# Altium PCB 2121_Robot3Roues.PcbDoc (part 2 of 2)
Units mm, origin at the board's own origin, x right, y up, seen from the top; angles counter-clockwise.
Board outline 100 x 152 mm, 2 copper layers (Top Layer, Bottom Layer), stack 1.62 mm thick; 144 components, 78 nets, 447 pads, 120 vias.
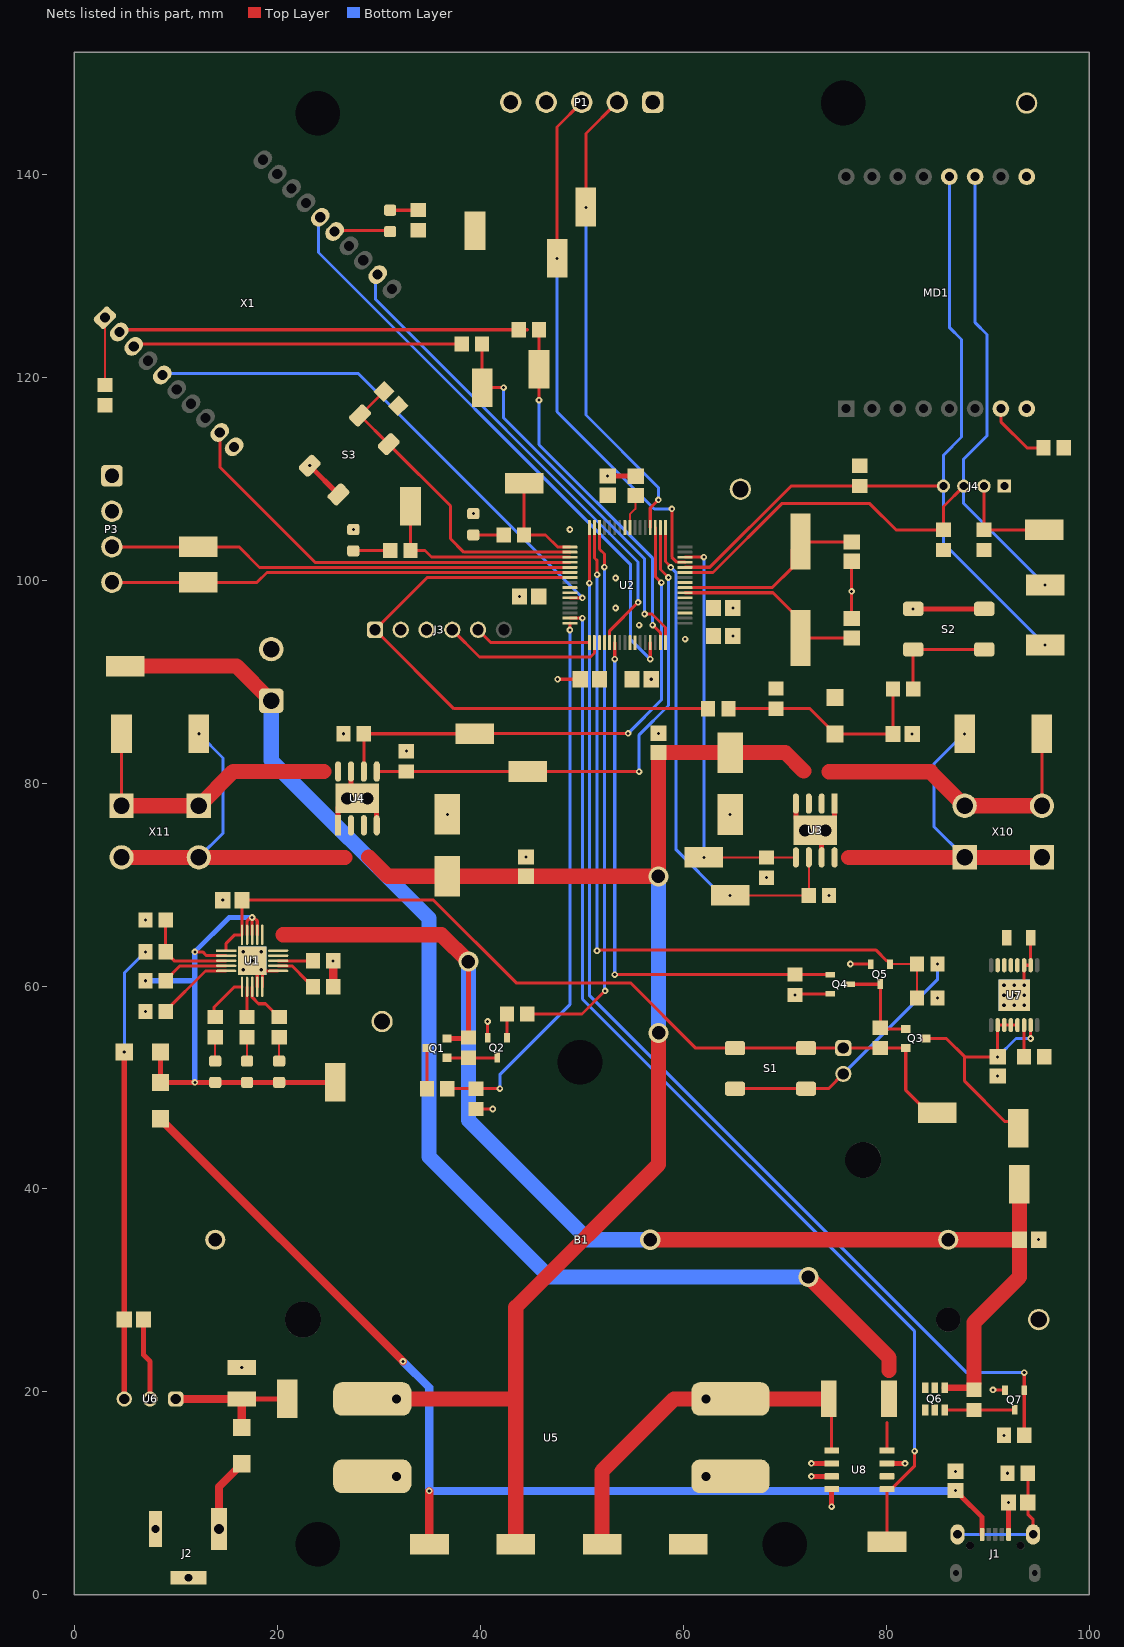
[diagram p2: the nets of this part, all layers, seen from the top]

## Part data (continued)
S1 S2 S3: "WS-TASV SMT Washable Tact Switch 6x6mm, height 3.5mm, 360gf", Operating Temperature="-40 to +85degC", Rated Current=50mA, Rated Voltage=12VDC, ComponentLink1Description=Manufacturer, ComponentLink1URL=http://www.we-online.de, ComponentLink2Description=Datasheet, ComponentLink2URL=https://katalog.we-online.com/em/datasheet/430451035836.pdf, Contact Material="Stainless Steel", Contact Plating=Silver, Height=3.5mm, Mounting Technology=SMT, Operation Force=360gf, Packaging="Tape and Reel", Part Number=430451035836, Published Date="September 2019", Publisher="Wurth Elektronik", Terminal Material=Brass, Terminal Plating=Silver, Washable=Yes
TP1 TP2 TP3 TP4 TP5 TP6 TP7 TP8 TP9 TP10 TP11 TP12 TP13 TP14 TP15 TP16 TP17 TP18 TP19 TP20 TP21 TP22 TP23 TP24 TP25 TP26 TP27 TP28 TP29 TP30 TP31: library part CMP-1672-00008-1, "Test Point, 1 Position SMD, RoHS, Tape and Reel", Package Quantity=1000, ComponentLink1Description="Manufacturer URL", ComponentLink1URL=http://www.keyelco.com/, ComponentLink2Description=Datasheet, ComponentLink2URL=http://www.keyelco.com/product-pdf.cfm?p=1357, Contact Plating=Silver, DatasheetVersion=03/2014, Mount="Surface Mount", Mounting Technology="Surface Mount", PackageDescription="1-Pin Surface Mount Device, Body 3.81 x 2.03 mm", PackageReference=5019, Packaging="Tape and Reel", Pins=1, RoHSCompliant=True
U1: "Charger IC Lithium Ion/Polymer 20-QFN _4x4_", Package="QFN-20 Microchip", Digi-Key_Part_Number=MCP73871T-2CCI/MLCT-ND, Digi-Key_Purchase_URL=https://www.digikey.com/product-detail/en/microchip-technology/MCP73871T-2CCI-ML/MCP73871T-2CCI-MLCT-ND/7065594?utm_source=snapeda&utm_medium=aggregator&utm_campaign=symbol, MF=Microchip, MP=MCP73871T-2CCI/ML, SnapEDA_Link=https://www.snapeda.com/parts/MCP73871T-2CCI/ML/Microchip/view-part/1049920/?ref=snap
U2: "MIPS32Â® M4Kâ„¢ PICÂ® 32MX Microcontroller IC 32-Bit 80MHz 512KB (512K x 8) FLASH 64-TQFP (10x10)", Package="TQFP-64 Microchip", Check_prices=https://www.snapeda.com/parts/PIC32MX795F512H-80I/PT/Microchip/view-part/48095/?ref=eda, Digi-Key_Part_Number=PIC32MX795F512H-80I/PT-ND, MF=Microchip, MP=PIC32MX795F512H-80I/PT, Purchase-URL=https://pricing.snapeda.com/search/part/PIC32MX795F512H-80I/PT/?ref=eda, SnapEDA_Link=https://www.snapeda.com/parts/PIC32MX795F512H-80I/PT/Microchip/view-part/48095/?ref=snap
U3 U4: library part BD62120AEFJ, Supplier Part Number 1=BD62120AEFJ-E2CT-ND, Supplier 1=Digi-Key
U5: "DC-DC Boost 2-24V"
U6: library part CMP-207928-000001-3, "WPME-FDSM Fixed Step Down Regulator Module", Ambient Temperature Range High=85°C, Case/Package=Module, Max Input Voltage=28V, Max Output Current=1A, Max Output Voltage=5V, Max Power Dissipation=5W, Max Switching Frequency=300kHz, Min Input Voltage=8V, Min Operating Temperature=-40°C, Switching Frequency=300MHz, Efficiency=91%, Features="OCP, OTP, OVP, SCP", Height=10.5mm, Length=11.6mm, Max Operating Temperature=85°C, Max Supply Voltage=28V, Min Supply Voltage=8V, Mount="Through Hole", Nominal Output Voltage=5V, Number of Outputs=1, Number of Pins=3, Output Current=1A, Output Power=5W, Output Type=Fixed, Output Voltage=5V, RoHS=Compliant, Topology=Buck, Voltage - Output 1=5V, Width=8.5mm
U8: library part CMP-0055-00392-3, "60V Common Mode, Bidirectional Precision Current Sensing Amplifier, 8-pin Narrow SOIC, Pb-Free", Manufacturer="Texas Instruments", Package Reference=D0008A, PackageTopMarking=NSZXTT*LMP86*01MA, PowerWise=N, Code_IPC=SOIC127P600-8, Code_JEDEC=MS-012-AA, ComponentLink1Description="Datasheet URL", ComponentLink1URL=http://www.ti.com/general/docs/lit/getliterature.tsp?genericPartNumber=LMP8601&fileType=pdf, CompType=Amplifiers, PackageDescription="SOIC Narrow, 4.9 x 3.9 x 1.45mm, 8 Lead, 1.27mm Pitch", PinCount=8, RoHS=Y
X1: library part XB24CDMSIT-001, "Xbee S2c Digimesh 2.4 Th Rpsma", Package="Module Digi International", Supplier Part Number 1=602-1893-ND, Availability=Bad, MF="Digi International", MP=XB24CAUIT-001, Price="17.89 USD", SnapEDA_Link=https://www.snapeda.com/parts/XB24CDMSIT-001/Digi%20International/view-part/?ref=snap, Supplier=Mouser, Supplier 1=Digi-Key, Supplier min. quantity=1, Supplier PN=888-XB24CAUIT-001, Supplier price=17.84
X2: library part 61300211121, "WR-PHD Pin Header, THT, pitch 2.54mm, Single Row, Vertical, 2pin", Contact Resistance=20mOhm, Operating Temperature="-40 to +105degC", Rated Current=3A, Withstanding Voltage=500VAC, Working Voltage=250VAC, ComponentLink1Description=Manufacturer, ComponentLink1URL=http://www.we-online.de, ComponentLink2Description=Datasheet, ComponentLink2URL=https://katalog.we-online.de/em/datasheet/6130xx11121.pdf, Gender=Male, Mounting Technology=THT, Orientation=Vertical, Packaging=Bag, Part Number=61300211121, Pin Number=2, Pitch=2.54mm, Published Date="June 2019", Publisher="Wurth Elektronik", Row Number=Single
X4 X5 X6 X7: library part CMP-1672-00003-4, "Test Point, Black, Through Hole, RoHS, Bulk", Colour=Black, Manufacturer=Keystone, Package Quantity=100, ComponentLink1Description="Manufacturer URL", ComponentLink1URL=http://www.keyelco.com/, ComponentLink2Description=Datasheet, ComponentLink2URL=http://www.keyelco.com/product-pdf.cfm?p=1320, Contact Material=Bronze, Contact Plating=Silver, DatasheetVersion="Rev. F, 12/2013", Height="8.12 mm", Mount="Through Hole", Mounting Technology="Through Hole", PackageDescription="1-Pin Through Hole Device, Dia 3.17 mm", PackageReference=5011, Packaging=Bulk, Pins=1, REACH SVHC="No SVHC", RoHSCompliant=true
X10 X11: "WR-TBL Serie 2566 Horizontal Entry, Rising Cage Clamp, pitch 10.16mm, 2p", Operating Temperature="-30 to +120degC", Rated Current [UL]=40A, Supplier Part Number 1=732-11031-ND, Working Voltage [UL]=300VAC, Application="Rising Cage Clamp", Compliance="Lead free / RoHS", ComponentLink1Description=Manufacturer, ComponentLink1URL=http://www.we-online.de, ComponentLink2Description=Datasheet, ComponentLink2URL=https://katalog.we-online.de/em/datasheet/691256610002.pdf, Modularity=No, Mounting Technology=THT, Packaging=Box, Part Number=691256610002, PCB/Cable/Panel=PCB, Pin Number=2, Pitch=10.16mm, Published Date="October 2019", Publisher="Wurth Elektronik", Supplier 1=Digi-Key, System=Connector, Type=Horizontal
Y1: library part CMP-1749-00001-1, "Resistance Weld SMD Crystal, 8 MHz, +/- 30 ppm, 12 pF, -20 to 70 degC, 2-Pin SMD, RoHS, Tape and Reel", Case\Package=SOT-553-6, Max Operating Temperature="150 degC", Max Supply Voltage="3.3 V", Max Supply Voltage (DC)="6 V", Min Operating Temperature="-55 degC", Min Supply Voltage="1.4 V", Min Supply Voltage (DC)="4 V", Output Current="3 mA", Package Quantity=1, ComponentLink1Description="Manufacturer URL", ComponentLink1URL=http://www.foxonline.com/, ComponentLink2Description=Datasheet, ComponentLink2URL=http://foxonline.com/pdfs/hc49sdlf.pdf, DatasheetVersion=Mar-15, Height="0.55 mm", Interface=I2C, Length="1.6 mm", Mount="Surface Mount", PackageDescription="2-Pin Surface Mount Device, Body 5 x 11.7 mm, Height 4.5 mm", PackageReference=FOX-FOXSDLF160-20, Packaging="Cut Tape", Pins=6, Radiation Hardening=No, REACH SVHC="No SVHC", RoHSCompliant=true, Weight="9.9E-05 oz", Width="1.2 mm"

## Via types
v1: diameter 0.65, hole 0.3, Top Layer to Bottom Layer, tented both sides, 47 vias
v2: diameter 0.65, hole 0.3, Top Layer to Bottom Layer, 46 vias
v3: diameter 0.75, hole 0.35, Top Layer to Bottom Layer, tented both sides, 9 vias
v4: diameter 1.98, hole 1.32, Top Layer to Bottom Layer, tented both sides, 5 vias
v5: diameter 0.75, hole 0.35, Top Layer to Bottom Layer, 5 vias
v6: diameter 2, hole 1.2, Top Layer to Bottom Layer, tented both sides, 4 vias
v7: diameter 1.651, hole 0.889, Top Layer to Bottom Layer, tented both sides, 4 vias

## Nets (pads, with @x,y where several pads share a name; then routed paths per layer and width w, separated by ;. In a path a pad name is that pad's centre, name@x,y a point inside that pad or via, vN(x,y) a via of type N, cw(c..) or ccw(c..) an arc to the next point about the centre after c; other vN are vias at no path point)
3.3V: C7.1 C8.1 C9.1 C10.1 C11.1 C12.1 C13.1 D7.2 J3.2 P1.1 P3.2 R15.2 R16.1 R21.2 R24.2 R25.2 R26.2 R28.2 R29.2 R37.2 TP7.1 TP10.1 U2.10 U2.19 U2.26 U2.35 U2.38 U2.57 U7.12 U7.13 U7.14 U7.15 U8.6 | length 0.4
  Top Layer w0.15: U8.6@79.65,11.69 U8.6@80.075,11.69
9V: C16.2 C17.1 C18.2 C19.1 TP30.1 U3.3 U4.3 U5.2 | length 139.9
  Top Layer w1.5: 29.009,72.705 30.909,70.805 C18.2@36.75,70.805 C19.1@44.5,70.805 v4(57.551,70.805) C17.1@57.551,83 C17.1@57.575,83 ; v7(31.76,19.31) 43.5,19.31 ; TP30.1@43.5,5 43.5,19.31 ; v4(57.575,55.38) 57.575,42.425 43.5,28.35 43.5,19.31 ; C17.1@57.651,83 C16.2@64.626,83 70.054,83 71.865,81.189
  Bottom Layer w1.5: v4(57.551,70.805) 57.563,70.793 57.563,55.392 v4(57.575,55.38)
GND: B1.2 C1.2 C2.2 C3.2 C4.2 C5.1 C6.2 C7.2 C8.2 C9.2 C10.2 C11.2 C12.2 C13.2 C14.2 C15.2 C16.1 C17.2 C18.1 C19.2 C20.1 C21.1 C22.2 D6.1 D8.1 J1.5 J2.2 J2.3 J3.3 J4.1 MD1.8 MD1.9 P1.4 P1.5 P2.2 P3.1 Q2.2 Q4.2 Q5.2 Q7.2 R4.2 R6.1 R7.1 R8.1 R9.1 R13.1 R19.1 R20.1 R31.1 R32.1 R34.1 R35.1 R38.1 S2.1 S2.2 S3.2 S3.4 U1.9 U1.10 U1.11 U1.21 U2.9 U2.20 U2.25 U2.41 U3.1 U3.4 U3.7 U3.9 U4.1 U4.4 U4.7 U4.9 U5.0 U5.3 U6.2 U7.10 U7.11 U8.2 U8.3 U8.4 U8.7 X1.10 X4.1 X5.1 X6.1 X7.1 | length 84.5
  Top Layer w0.3: v5(17.526,62.484) 18.026,61.984 U1.9@18.026,59.924 ; v5(18.415,61.595) U1.21@18.526,61.484 ; U1.10@18.526,59.924 U1.21@18.526,61.484 ; U1.11@20.086,61.484 U1.21@18.526,61.484 ; R13.1@39.58,47.884 v2(41.23,47.884) ; Q2.2@40.73,54.925 v2(40.73,56.5) ; v1(47.625,90.225) C12.2@49.85,90.225 ; v2(71,59.121) 71.1,59.221 Q4.2@74.461,59.221 ; v2(76.475,62.171) Q5.2@78.465,62.171 ; C20.1@76.598,96.2 v1(76.598,98.878) C21.1@76.598,101.85 ; v2(90.525,20.21) 91.45,20.21 91.625,20.385 Q7.2@91.625,20.41 ; v2(91.587,15.721) R38.1@91.6,15.734 ; v3(93.605,60.096) 93.58,60.121 U7.11@93.58,62.046 U7.10@94.23,62.046 C7.2@94.23,64.75
  Top Layer w0.5: C5.1@6.82,27.13 6.82,23.655 7.46,23.015 U6.2@7.46,19.31 ; v1(23.201,111.267) S3.2@26.03,108.439 ; U4.1@25.99,75.83 25.995,75.835 25.995,77.58 v6(26.895,78.48) 27.26,78.845 U4.7@27.26,81.13 ; v6(28.895,78.48) 29.795,77.58 29.795,75.835 U4.4@29.8,75.83 ; v1(52.551,110.25) 55.301,110.25 C15.2@55.318,110.234 ; U3.4@71.101,77.976 71.106,77.971 71.106,76.525 U3.9@72.306,75.325 ; v2(72.625,11.69) U8.3@74.625,11.69 ; v2(72.625,12.96) U8.2@74.625,12.96 ; U3.9@73.006,75.325 73.706,75.325 74.906,76.525 74.906,77.971 U3.1@74.911,77.976 ; U3.7@73.641,72.675 U3.9@73.641,74.69 ; v2(74.625,8.7) U8.4@74.625,10.42 ; U8.7@80.075,12.96 v2(81.855,12.96) ; v1(82.661,97.168) S2.2@89.661,97.168 ; J1.5@92.05,5.962 v2(92.05,9.1)
  Top Layer w0.8: R7.1@25.511,59.924 v2(25.511,62.484) ; v7(62.24,11.69) U5.0@64.64,11.69
  other v1: 90.98,51.125 14.626,68.453 82.561,84.837 56.848,90.223 60.18,94.184 64.882,94.475 55.652,95.565 53.339,97.25 64.882,97.25 43.857,98.39 53.339,100.203 27.492,104.978 48.83,104.978 39.315,106.545
  other v2: 91.95,11.99 86.825,12.182 16.5,22.41 95.025,35 7.001,57.5 85.04,58.821 7.004,66.5 74.371,68.925 68.201,70.675 44.5,72.705 36.75,76.905 64.626,76.9 32.715,83.135 26.53,84.855 57.551,84.9
  other v3: 91.605,58.096 92.605,58.096 93.605,58.096 91.605,59.096 92.605,59.096 93.605,59.096 91.605,60.096 92.605,60.096
  other v5: 16.637,61.595 16.637,63.373 18.415,63.373
  other v6: 72.006,75.325 74.006,75.325
  other v7: 31.76,11.69
LedDebug: R36.2 TP9.1 U2.3 | length 20.3
  Top Layer w0.3: TP9.1@33.124,107.276 R36.2@33.124,102.904 34.555,102.904 35.195,102.264 ; 35.195,102.25 U2.3@48.83,102.25
LedVie: R27.2 TP8.1 U2.1 | length 10.8
  Top Layer w0.3: TP8.1@43.931,109.525 TP8.1@44.455,109.525 ; R27.2@44.175,104.445 46.43,104.445 47.625,103.25 U2.1@48.83,103.25 ; R27.2@44.315,104.445 TP8.1@44.315,109.385 ; TP8.1@44.315,109.525 TP8.1@44.455,109.385
NetC2_1: C2.1 J1.Z1 J1.Z2 R4.1 | length 13.7
  Top Layer w0.3: R4.1@93.95,11.99 C2.1@93.95,9.1 93.95,7.944 94.475,7.419 J1.Z2@94.475,5.962
  Bottom Layer w0.3: J1.Z1@87.025,5.962 J1.Z2@94.475,5.962
NetC5_2: C5.2 D5.1 R5.1 U6.3 | length 45
  Top Layer w0.5: U6.3@4.92,19.31 C5.2@4.92,27.13 v2(4.92,53.5)
  Bottom Layer w0.3: v2(4.92,53.5) 4.952,53.532 4.952,61.313 v1@7.082,63.443
  other v1: 7.003,63.364
NetC14_1: C14.1 D7.1 R21.1 R22.1 R23.2 | length 21.7
  Top Layer w0.3: R22.1@64.453,87.323 R21.1@69.151,87.323 72.485,87.323 74.961,84.847 D7.1@74.961,84.837 C14.1@80.661,84.837 R23.2@80.661,89.265
NetC15_1: C15.1 U2.56 | length 3.4
  Top Layer w0.2: U2.56@54.75,105.17 54.75,106.501 55.275,107.026 55.275,108.291 C15.1@55.318,108.334
NetC22_1: C22.1 D1.1 J1.1 TP2.1 | length 110.2
  Top Layer w0.5: J1.1@89.45,5.962 89.45,7.661 87.375,9.736 87.375,9.782 C22.1@86.875,10.282 ; C22.1@86.875,10.282 v2(86.83,10.282) C22.1@86.875,10.282
  Top Layer w0.8: D1.1@8.5,46.92 8.5,46.91 32.385,23.025 v2(32.385,23.015) ; v2(34.975,10.25) 34.975,5.025 TP2.1@35,5
  Bottom Layer w0.8: v2(32.385,23.015) 34.975,20.425 v2(34.975,10.25) v2@86.798,10.25
NetD2_1: D2.1 R1.2 | length 2.3
  Top Layer w0.2: D2.1@20.186,52.6 R1.2@20.186,54.95
NetD3_1: D3.1 R2.2 | length 2.3
  Top Layer w0.2: D3.1@17.026,52.6 R2.2@17.026,54.95
NetD4_1: D4.1 R3.2 | length 2.3
  Top Layer w0.2: D4.1@13.885,52.6 R3.2@13.885,54.95
NetD6_2: D6.2 R27.1 | length 3
  Top Layer w0.3: D6.2@39.315,104.445 R27.1@42.315,104.445
NetD8_2: D8.2 R36.1 | length 4
  Top Layer w0.3: D8.2@27.094,102.878 D8.2@27.492,102.878 ; D8.2@27.492,102.904 R36.1@31.124,102.904
NetD9_1: D9.1 X1.15 | length 5.5
  Top Layer w0.3: X1.15@25.649,134.339 25.737,134.427 31.03,134.427 D9.1@31.119,134.339
NetD9_2: D9.2 R37.1 | length 2.8
  Top Layer w0.3: D9.2@31.119,136.439 33.869,136.439 R37.1@33.89,136.46
NetD10_1: D10.1 J2.1 | length 7.4
  Top Layer w0.8: J2.1@14.25,6.5 14.25,10.66 16.5,12.91 D10.1@16.5,12.92
NetJ4_2: J4.2 R28.1 TP15.1 | length 10.2
  Top Layer w0.3: J4.2@89.636,109.256 R28.1@89.636,104.95 TP15.1@95.564,104.95
NetJ4_3: J4.3 MD1.11 R15.1 TP19.1 U2.43 | length 79.5
  Top Layer w0.3: U2.43@60.17,100.75 62.923,100.75 69.698,107.525 78.38,107.525 80.955,104.95 R15.1@85.636,104.95 85.636,107.256 J4.3@87.636,109.256
  Bottom Layer w0.3: MD1.11@88.76,139.75 88.76,125.364 89.925,124.199 89.925,114.208 87.636,111.919 J4.3@87.636,109.256 87.636,107.543 v2(95.662,99.517)
NetJ4_4: J4.4 MD1.12 R26.1 TP16.1 U2.44 | length 80.3
  Top Layer w0.3: U2.44@60.17,101.25 60.18,101.26 62.621,101.26 70.617,109.256 R26.1@77.398,109.256 J4.4@85.636,109.256
  Bottom Layer w0.3: MD1.12@86.22,139.75 86.22,124.904 87.425,123.699 87.425,114.1 85.636,112.311 J4.4@85.636,109.256 85.636,103.624 v2(95.662,93.598)
NetMD1_7: MD1.7 R29.1 | length 6.6
  Top Layer w0.3: MD1.7@91.3,116.89 91.3,115.6 93.872,113.028 R29.1@95.498,113.028
NetP1_2: P1.2 TP13.1 U2.52 | length 46.8
  Top Layer w0.3: TP13.1@50.386,136.755 v2(50.421,136.72) 50.421,143.996 P1.2@53.5,147.075 ; U2.52@56.75,105.17 56.75,107.092 v2(57.551,107.893)
  Bottom Layer w0.3: v2@50.421,137.011 v2(50.421,136.72) 50.421,116.254 57.551,109.124 v2(57.551,107.893)
NetP1_3: P1.3 TP14.1 U2.45 | length 53
  Top Layer w0.3: v2(47.567,131.687) 47.567,144.642 P1.3@50,147.075 ; v2(58.875,107.009) 58.875,102.256 59.371,101.76 60.16,101.76 U2.45@60.17,101.75
  Bottom Layer w0.3: v2(47.567,131.687) 47.567,116.591 57.148,107.009 v2(58.875,107.009)
NetP2_1: P2.1 Q6.1 Q6.2 Q6.5 Q6.6 R39.2 TP18.1 U8.8 | length 126
  Top Layer w0.3: U8.8@80.075,14.23 80.075,17
  Top Layer w0.5: R39.2@80.275,19.31 80.275,18.735 R39.2@80.8,18.21 ; R39.2@80.275,19.885 R39.2@80.8,20.41
  Top Layer w1.5: TP18.1@5.025,91.525 15.985,91.525 P2.1@19.4,88.11 ; v4(72.325,31.325) 80.275,23.375 80.275,22.125
  Bottom Layer w1.5: P2.1@19.401,87.323 19.401,82.221 34.95,66.672 34.95,43.175 46.8,31.325 v4(72.325,31.325)
NetP3_3: P3.3 TP20.1 U2.5 | length 46
  Top Layer w0.3: P3.3@3.7,103.275 13.408,103.275 13.833,103.275 16.225,103.275 18.258,101.242 26.808,101.242 26.816,101.25 U2.5@48.83,101.25
NetP3_4: P3.4 TP17.1 U2.6 | length 45.5
  Top Layer w0.3: P3.4@3.7,99.775 13.628,99.775 18.011,99.775 18.986,100.75 U2.6@48.83,100.75
NetQ1_1: Q1.1 Q2.3 R11.1 | length 4.9
  Top Layer w0.3: Q1.1@36.74,52.925 R11.1@38.83,52.925 Q2.3@41.68,52.925
NetQ1_3: Q1.3 R12.2 | length 4.5
  Top Layer w0.3: R12.2@34.74,49.42 Q1.3@34.74,53.875
NetQ2_1: Q2.1 R14.2 | length 2.3
  Top Layer w0.3: Q2.1@42.63,54.925 R14.2@42.63,57.25
NetQ3_1: Q3.1 Q4.3 Q5.3 R18.1 | length 9.8
  Top Layer w0.3: Q4.3@76.461,60.171 79.415,60.171 R18.1@79.415,55.88 79.515,55.78 Q3.1@81.925,55.78
NetQ4_1: Q4.1 R20.2 U2.22 | length 53.9
  Top Layer w0.3: v1(53.25,61.125) 70.996,61.125 R20.2@71,61.121 Q4.1@74.461,61.121 ; v1(53.25,92.202) U2.22@53.25,93.83
  Bottom Layer w0.3: v1(53.25,61.125) v1(53.25,92.202)
NetQ5_1: Q5.1 R17.1 R19.2 U2.63 | length 77.3
  Top Layer w0.2: Q5.1@80.365,62.171 R17.1@83.04,62.171 R19.2@83.04,58.821
  Top Layer w0.3: U2.63@51.25,105.17 51.25,102.177 51.525,101.902 v1(51.525,100.525) ; v1(51.5,63.475) 51.55,63.525 79.011,63.525 80.065,62.471 80.115,62.471 80.365,62.221 Q5.1@80.365,62.171
  Bottom Layer w0.3: v1(51.5,63.475) 51.525,63.5 v1(51.525,100.525)
NetQ6_3: Q6.3 Q7.3 R42.1 | length 6.9
  Top Layer w0.3: Q6.3@85.75,18.21 R42.1@88.65,18.21 Q7.3@92.65,18.21
NetQ7_1: Q7.1 R38.2 U2.64 | length 110.5
  Top Layer w0.3: v1(50.75,99.7) U2.64@50.75,105.17 ; R38.2@93.6,15.734 93.6,20.21 v2(93.6,21.9)
  Bottom Layer w0.3: v1(50.75,99.7) 50.75,59.075 87.925,21.9 v2(93.6,21.9)
NetR1_1: R1.1 U1.8 | length 4.5
  Top Layer w0.3: U1.8@17.526,59.924 17.526,58.88 18.156,58.25 18.836,58.25 20.136,56.95 R1.1@20.182,56.95
NetR2_1: R2.1 U1.7 | length 3
  Top Layer w0.3: R2.1@17.026,56.95 U1.7@17.026,59.924
NetR3_1: R3.1 U1.6 | length 5.6
  Top Layer w0.3: R3.1@13.885,56.95 14.08,57.145 13.832,57.145 13.411,57.374 13.323,57.462 13.747,57.462 13.785,57.5 13.785,57.924 15.785,59.924 U1.6@16.526,59.924
NetR5_2: R5.2 R9.2 U1.3 | length 9.5
  Top Layer w0.3: R5.2@9.003,63.364 9.003,63.314 9.833,62.484 U1.3@14.966,62.484 ; R5.2@9.004,63.373 R9.2@9.004,66.5
NetR6_2: R6.2 U1.5 | length 7.6
  Top Layer w0.3: R6.2@9.001,57.5 9.001,57.55 12.935,61.484 U1.5@14.966,61.484
NetR7_2: R7.2 U1.12 | length 4.3
  Top Layer w0.3: U1.12@20.086,61.984 21.451,61.984 22.911,60.524 22.961,60.524 23.511,59.974 R7.2@23.511,59.924
NetR8_2: R8.2 U1.13 | length 3.4
  Top Layer w0.3: U1.13@20.086,62.484 R8.2@23.511,62.484
NetR10_1: R10.1 U1.4 | length 6.6
  Top Layer w0.3: R10.1@9.001,60.519 9.001,60.569 10.416,61.984 U1.4@14.966,61.984
NetR12_1: R12.1 R13.2 U2.16 | length 53.9
  Top Layer w0.3: R12.1@36.74,49.884 R13.2@39.58,49.884 39.584,49.88 v2(41.93,49.88) ; v1(48.83,95.075) U2.16@48.83,95.75
  Bottom Layer w0.3: v2(41.93,49.88) 41.93,51.255 48.83,58.155 v1(48.83,95.075)
NetR14_1: R14.1 U2.62 | length 54.5
  Top Layer w0.3: R14.1@44.63,57.25 50.024,57.25 v1(52.3,59.526) ; U2.62@51.75,105.17 51.75,103.047 52.235,102.562 52.235,101.285 v1(52.225,101.275)
  Bottom Layer w0.3: v1(52.225,101.275) 52.225,59.695 52.3,59.62 v1(52.3,59.526)
NetR16_2: R16.2 U7.6 | length 3.1
  Top Layer w0.3: R16.2@93.58,53.025 U7.6@93.58,56.146
NetR17_2: R17.2 S1.1 S1.2 X2.2 | length 25.9
  Top Layer w0.3: S1.2@65.099,49.88 S1.1@72.099,49.88 74.314,49.88 X2.2@75.775,51.34
  Bottom Layer w0.3: X2.2@75.775,51.34 85.04,60.605 v2(85.04,62.171)
NetR23_1: R23.1 S2.3 S2.4 | length 10.9
  Top Layer w0.3: R23.1@82.661,89.265 S2.3@82.661,93.168 S2.4@89.661,93.168
NetR25_1: R25.1 X1.1 | length 6.6
  Top Layer w0.2: R25.1@3.022,119.225 X1.1@3.022,125.853
NetR30_2: R30.2 TP11.1 U2.32 | length 38.6
  Top Layer w0.3: TP11.1@40.18,118.95 R30.2@40.18,123.248 ; TP11.1@40.185,118.95 v1(42.305,118.95) ; v1(56.2,96.65) 56.919,96.65 58.25,95.319 U2.32@58.25,93.83
  Bottom Layer w0.3: v1(42.305,118.95) 42.305,115.965 56.2,102.07 v1(56.2,96.65)
NetR31_2: R31.2 TP22.1 U2.49 U3.6 | length 50.3
  Top Layer w0.2: v2(64.626,68.925) R31.2@72.371,68.925 U3.6@72.371,72.675
  Top Layer w0.3: U2.49@58.25,104.585 58.25,101.828 58.768,101.31 v1(58.768,101.25)
  Bottom Layer w0.3: v1(58.768,101.25) 59.3,100.718 59.3,73.425 63.8,68.925 v2(64.626,68.925)
NetR32_2: R32.2 TP21.1 U2.46 U3.5 | length 40.5
  Top Layer w0.2: v1(62.038,72.675) R32.2@68.201,72.675 U3.5@71.101,72.675
  Top Layer w0.3: U2.46@60.17,102.25 v1(62.032,102.25)
  Bottom Layer w0.3: v1(62.032,102.25) 62.038,102.244 v1(62.038,72.675)
NetR33_2: R33.2 TP12.1 U2.31 | length 35.8
  Top Layer w0.3: v1(45.791,117.722) TP12.1@45.791,120.75 R33.2@45.791,124.663 ; v1(56.986,95.565) 57.75,94.801 U2.31@57.75,93.83
  Bottom Layer w0.3: v1(45.791,117.722) 45.791,113.334 56.986,102.139 v1(56.986,95.565)
NetR34_2: R34.2 TP26.1 U2.51 U4.6 | length 51.7
  Top Layer w0.3: U4.6@28.53,81.13 R34.2@28.53,84.855 TP26.1@39.453,84.855 39.498,84.9 v1(54.577,84.9) ; U2.51@57.25,105.17 57.25,100.348 v1(57.848,99.75)
  Bottom Layer w0.3: v1(54.577,84.9) 57.848,88.171 v1(57.848,99.75)
NetR35_2: R35.2 TP25.1 U2.50 U4.5 | length 50.8
  Top Layer w0.3: U4.5@29.8,81.13 32.71,81.13 R35.2@32.715,81.135 42.041,81.135 42.046,81.13 TP25.1@44.7,81.13 v1(55.652,81.13) ; U2.50@57.75,104.585 57.75,101.042 v1(58.542,100.25)
  Bottom Layer w0.3: v1(55.652,81.13) 55.652,84.752 58.542,87.642 v1(58.542,100.25)
NetTP23_1: TP23.1 U3.8 X10.1 | length 33.7
  Top Layer w1.5: 76.316,72.675 X10.1@87.728,72.675 X10.1@95.348,72.675
  Bottom Layer w0.3: X10.1@87.728,72.675 84.71,75.693 84.71,81.91 87.637,84.837 v2(87.728,84.837)
NetTP24_1: TP24.1 U3.2 X10.2 | length 29.4
  Top Layer w0.3: X10.2@95.348,77.755 TP24.1@95.348,84.837
  Top Layer w1.5: 74.371,81.105 84.378,81.105 X10.2@87.728,77.755 X10.2@95.348,77.755
NetTP27_1: TP27.1 U4.8 X11.1 | length 28.4
  Top Layer w0.3: X11.1@4.651,77.756 TP27.1@4.651,84.854
  Top Layer w1.5: TP27.1@4.65,84.855 TP27.1@4.65,84.855 ; X11.1@4.651,77.756 X11.1@4.652,77.755 X11.1@12.272,77.755 15.652,81.135 24.6,81.135
NetTP28_1: TP28.1 U4.2 X11.2 | length 36.2
  Top Layer w1.5: X11.2@4.652,72.675 X11.2@12.272,72.675 26.675,72.675
  Bottom Layer w0.3: X11.2@12.272,72.675 14.65,75.053 14.65,82.472 12.272,84.85 v2(12.272,84.855)
NetTP31_1: TP31.1 U2.15 U8.5 | length 107.2
  Top Layer w0.3: U2.15@48.83,96.25 v2(50.068,96.25) ; TP31.1@80.075,5.237 U8.5@80.075,10.42 80.5,10.42 82.807,12.727 v2(82.807,14.17)
  Bottom Layer w0.3: v2(50.068,96.25) 50.068,58.707 82.807,25.968 v2(82.807,14.17)
NetU2_11: U2.11 X1.5 | length 51.9
  Top Layer w0.3: U2.11@48.83,98.25 v1(50.068,98.25)
  Bottom Layer w0.3: X1.5@8.678,120.197 8.855,120.373 27.945,120.373 v1(50.068,98.25)
OSC1: C20.2 U2.39 Y1.1 | length 19.6
  Top Layer w0.3: U2.39@60.17,98.75 68.848,98.75 71.548,96.05 Y1.1@71.548,94.3 C20.2@76.148,94.3 ; C20.2@76.098,94.35 C20.2@76.148,94.3 ; C20.2@76.598,93.85 C20.2@76.148,94.3
OSC2: C21.2 U2.40 Y1.2 | length 19.4
  Top Layer w0.3: U2.40@60.17,99.25 60.18,99.26 68.785,99.26 70.698,101.173 70.698,102.95 Y1.2@71.548,103.8 ; Y1.2@71.548,103.75 C21.2@76.598,103.75
PGEC: J3.5 U2.17 | length 11.5
  Top Layer w0.3: J3.5@39.785,95.1 41.055,93.83 U2.17@50.75,93.83
PGED: J3.4 U2.18 | length 16.3
  Top Layer w0.3: J3.4@37.245,95.1 39.92,92.425 50.866,92.425 51.25,92.809 U2.18@51.25,93.83
Reset: J3.1 R22.2 U2.7 | length 57.4
  Top Layer w0.3: U2.7@48.83,100.25 34.775,100.25 J3.1@29.625,95.1 37.402,87.323 R22.2@62.453,87.323
VBAT: B1.1 C3.1 Q1.2 Q6.4 R11.2 R42.2 TP4.1 U1.14 U1.15 U1.16 | length 130
  Top Layer w0.3: R11.2@38.83,54.825 R11.2@38.83,54.925
  Top Layer w0.5: Q1.2@36.74,54.825 R11.2@38.83,54.825 ; R11.2@38.83,54.925 v4(38.83,62.399) ; 88.25,21.9 88.65,21.5 R42.2@88.65,20.21
  Top Layer w0.6: Q6.4@85.75,20.41 R42.2@88.649,20.41
  Top Layer w1.5: 20.566,65.044 36.185,65.044 v4(38.83,62.399) ; v4(56.75,35) B1.1@86.11,35 C3.1@93.125,35 ; 88.65,20.91 88.65,26.85 93.125,31.325 C3.1@93.125,35 ; TP4.1@93.125,40.446 C3.1@93.125,35
  Bottom Layer w1.5: v4(38.83,62.399) 38.83,46.77 50.6,35 v4(56.75,35)
VBO: C1.1 Q3.2 R18.2 S1.3 S1.4 TP1.1 U1.1 U1.20 X2.1 | length 84.1
  Top Layer w0.3: U1.1@14.966,63.484 14.966,64.202 15.808,65.044 U1.20@16.526,65.044 C1.1@16.526,68.453 35.401,68.453 43.547,60.307 54.798,60.307 61.225,53.88 S1.4@65.099,53.88 S1.3@72.099,53.88 X2.1@75.775,53.88 ; X2.1@76.461,53.88 R18.2@79.415,53.88 Q3.2@81.925,53.88 81.925,49.74 TP1.1@84.155,47.51
VBOI: C6.1 Q3.3 TP6.1 U7.2 U7.3 U7.4 U7.5 U7.7 | length 27.8
  Top Layer w0.3: Q3.3@83.925,54.83 85.923,54.83 87.728,53.025 ; C6.1@91.03,53.025 v1(90.98,53.025) ; U7.5@92.93,56.146 U7.4@92.28,56.146 U7.3@91.63,56.146 U7.2@90.98,56.146 v1(90.98,53.025) ; TP6.1@93,46 92.361,46.639 91.711,46.639 87.728,50.622 87.728,53.025 ; v1(94.23,54.83) U7.7@94.23,56.146 ; 87.728,53.025 v1(90.98,53.025)
  Bottom Layer w0.3: v1(90.98,53.025) 92.785,54.83 v1(94.23,54.83)
VBoostIn: R39.1 TP29.1 U5.1 U8.1 | length 37.7
  Top Layer w0.3: R39.1@74.325,19.31 74.625,19.01 U8.1@74.625,14.23
  Top Layer w1.5: TP29.1@52,5 52,12.225 59.085,19.31 v7(62.24,19.31) U5.1@64.64,19.31 R39.1@74.325,19.31
VChargIn: D1.2 D2.2 D3.2 D4.2 D5.2 R10.2 TP3.1 U1.2 U1.17 U1.18 U1.19 | length 54
  Top Layer w0.3: v1(11.87,63.364) 12.646,63.364 13.026,62.984 U1.2@14.966,62.984 ; U1.19@17.026,65.044 17.026,66.421 17.288,66.683 17.459,66.683 v1(17.526,66.75) ; U1.18@17.526,65.044 v1(17.526,66.75) ; U1.17@18.026,65.044 18.026,66.421 17.764,66.683 17.593,66.683 v1(17.526,66.75)
  Top Layer w0.5: D5.2@8.5,53.5 D1.2@8.5,50.5 v1(11.87,50.5) D4.2@13.885,50.5 D3.2@17.026,50.5 D2.2@20.186,50.5 TP3.1@25.693,50.5
  Bottom Layer w0.5: v2(7.001,60.519) 11.87,60.519 ; v1(11.87,50.5) 11.87,60.519 ; v1(17.526,66.75) 15.256,66.75 v1(11.87,63.364) 11.87,60.519
Vin: C4.1 D10.2 TP5.1 U6.1 | length 13.8
  Top Layer w0.5: C4.1@16.5,19.31 TP5.1@21,19.31
  Top Layer w0.8: U6.1@10,19.31 C4.1@16.5,19.31 D10.2@16.5,16.5
Xbee_Btn: R24.1 S3.1 S3.3 U2.2 | length 31.5
  Top Layer w0.3: R24.1@30.511,118.577 S3.3@28.151,116.217 S3.1@30.979,113.388 37.059,107.308 37.059,104.072 38.382,102.75 U2.2@48.83,102.75 U2.2@48.84,102.74
Xbee_CTS: U2.21 X1.12 | length 48.2
  Top Layer w0.3: U2.21@52.75,93.83 52.75,95 v1(55.55,97.8)
  Bottom Layer w0.3: X1.12@29.892,130.096 29.668,129.873 29.668,127.667 55.55,101.785 v1(55.55,97.8)
Xbee_ON: U2.4 X1.9 | length 41.8
  Top Layer w0.3: X1.9@14.335,114.54 14.335,111.134 23.719,101.75 U2.4@48.83,101.75
Xbee_RTS: U2.29 X1.16 | length 58.8
  Top Layer w0.3: v1(56.751,92.202) U2.29@56.75,93.83
  Bottom Layer w0.3: X1.16@24.235,135.753 24.058,135.576 24.058,132.281 54.825,101.514 54.825,94.127 v1(56.751,92.202)
Xbee_RX: R33.1 X1.2 | length 40.3
  Top Layer w0.3: X1.2@4.436,124.439 4.659,124.663 44.631,124.663
Xbee_TX: R30.1 X1.3 | length 32.4
  Top Layer w0.3: X1.3@5.85,123.025 6.073,123.248 R30.1@38.18,123.248
pads on no net: B1. J1. J1.2 J1.3 J1.4 J1.Z4 J3.6 MD1.1 MD1.2 MD1.3 MD1.4 MD1.5 MD1.6 MD1.10 MD1.13 MD1.14 MD1.15 MD1.16 MP1.1 MP2.1 MP3.1 MP4.1 MP5.1 U2.8 U2.12 U2.13 U2.14 U2.23 U2.24 U2.27 U2.28 U2.30 U2.33 U2.34 U2.36 U2.37 U2.42 U2.47 U2.48 U2.53 U2.54 U2.55 U2.58 U2.59 U2.60 U2.61 U7.1 U7.8 U7.9 U7.16 X1.4 X1.6 X1.7 X1.8 X1.11 X1.13 X1.14 X1.17 X1.18 X1.19 X1.20

## Polygon pours and split planes (outlines as drawn)
9V on Top Layer "9V_L01_P012" (solid, pour order 12): 72.668,77.271 72.668,81.85 71.398,81.85 71.398,77.271
NetTP24_1 on Top Layer "NETTP24_1_L01_P011" (solid, pour order 11): 73.344,77.271 73.344,81.85 74.614,81.85 74.614,77.28
NetTP23_1 on Top Layer "NETTP23_1_L01_P015" (solid, pour order 15): 77.087,73.892 77.087,71.125 74.614,71.125 74.614,73.873
NetTP27_1 on Top Layer "NETTP27_1_L01_P016" (solid, pour order 16): 23.814,79.914 23.814,82.68 26.287,82.68 26.287,79.932
NetTP28_1 on Top Layer "NETTP28_1_L01_P005" (solid, pour order 5): 26.287,76.535 26.287,71.955 27.557,71.955 27.557,76.535
9V on Top Layer "9V_L01_P010" (solid, pour order 10): 28.233,76.535 28.233,71.955 29.503,71.955 29.503,76.535
NetP2_1 on Top Layer "NETP2_1_L01_P003" (solid, pour order 3): 82.325,22.325 82.325,20.94 85.125,20.94 85.125,17.68 82.325,17.68 82.325,16.825 79.06,16.825 79.06,22.325
VBAT on Top Layer "VBAT_L01_P002" (solid, pour order 2): 19.091,65.794 19.091,65.293 18.526,65.293 18.526,64.794 19.091,64.794 19.836,64.049 19.836,62.984 20.335,62.984 20.335,64.049 21.086,64.049 21.086,65.794
GND on Top Layer "GND_L01_P013" (solid, remove dead copper, pour order 13): 48.095,105.905 48.095,93.095 60.905,93.095 60.905,105.905
3.3V on Top Layer "3.3V_L01_P014" (solid, remove dead copper, pour order 14): 0,152 100,152 100,0 0,0
GND on Bottom Layer "GND_L02_P001" (solid, remove dead copper, pour order 1): 0,152 100,152 100,0 0,0

## Keep-outs
Keep-Out Layer:
  region: 22.581,200.007 -56.651,120.776 -28.649,92.774 50.581,172.005

## Other copper
Multi-Layer:
  pour cut-out: -56.651,120.776 -28.649,92.774 50.708,172.131 50.709,172.132 50.454,172.134 22.581,200.007
  pour cut-out: 53.8,141.75 53.8,114.75 82.204,114.75 82.204,141.75

## Silkscreen, mask and mechanical layers (free items; w line width, h text height)
Top Overlay:
  lines w0.254: 39.85,142.275 59.85,142.275 59.85,150.275 39.85,150.275 39.85,142.275
  text "2121_B" at 81.44,149.522 h1.5
  text "Mot1+" at 16.429,78.479 h1.52
  text "Mot2+" at 77.754,78.479 h1.52
  text "Mot1-" at 16.46,74.129 h1.52
  text "Mot2-" at 77.754,74.129 h1.52
  text "ETML-ES / 2121B_Robot3Roues" at 25.875,31.25 h2
  text "Jack.7-28V" at 18.525,1.325 h1 r90
Top Dims:
  lines w0.254: -56.83,120.596 -56.471,120.955 ; -56.83,120.955 -56.471,120.596 ; -55.932,119.339 -56.651,120.776 ; -55.932,122.213 -56.651,120.776 ; -55.214,120.057 -56.651,120.776 ; -55.214,121.494 -56.651,120.776 ; -47.246,111.371 -56.651,120.776 ; -38.054,102.179 -28.649,92.774 ; -30.086,93.493 -28.649,92.774 ; -29.368,94.211 -28.649,92.774 ; -28.829,92.595 -28.47,92.954 ; -22.529,154.897 -56.651,120.776 ; -11.541,165.886 22.581,200.007 ; 21.144,199.289 22.581,200.007 ; 21.862,198.57 22.581,200.007 ; 22.401,200.187 22.76,199.827
  text "112.05 (mm)" at -21.703,154.43 h1.52 r45
  text "39.6 (mm)" at -47.713,110.545 h1.52 r315
Board Outline (ES):
  the board outline again, w0.3

## Dimensions
100,152 to 0,152 on Top Dims
100,152 to 100,0 on Top Dims